# KiCad board Logic_0.kicad_pcb (continued)
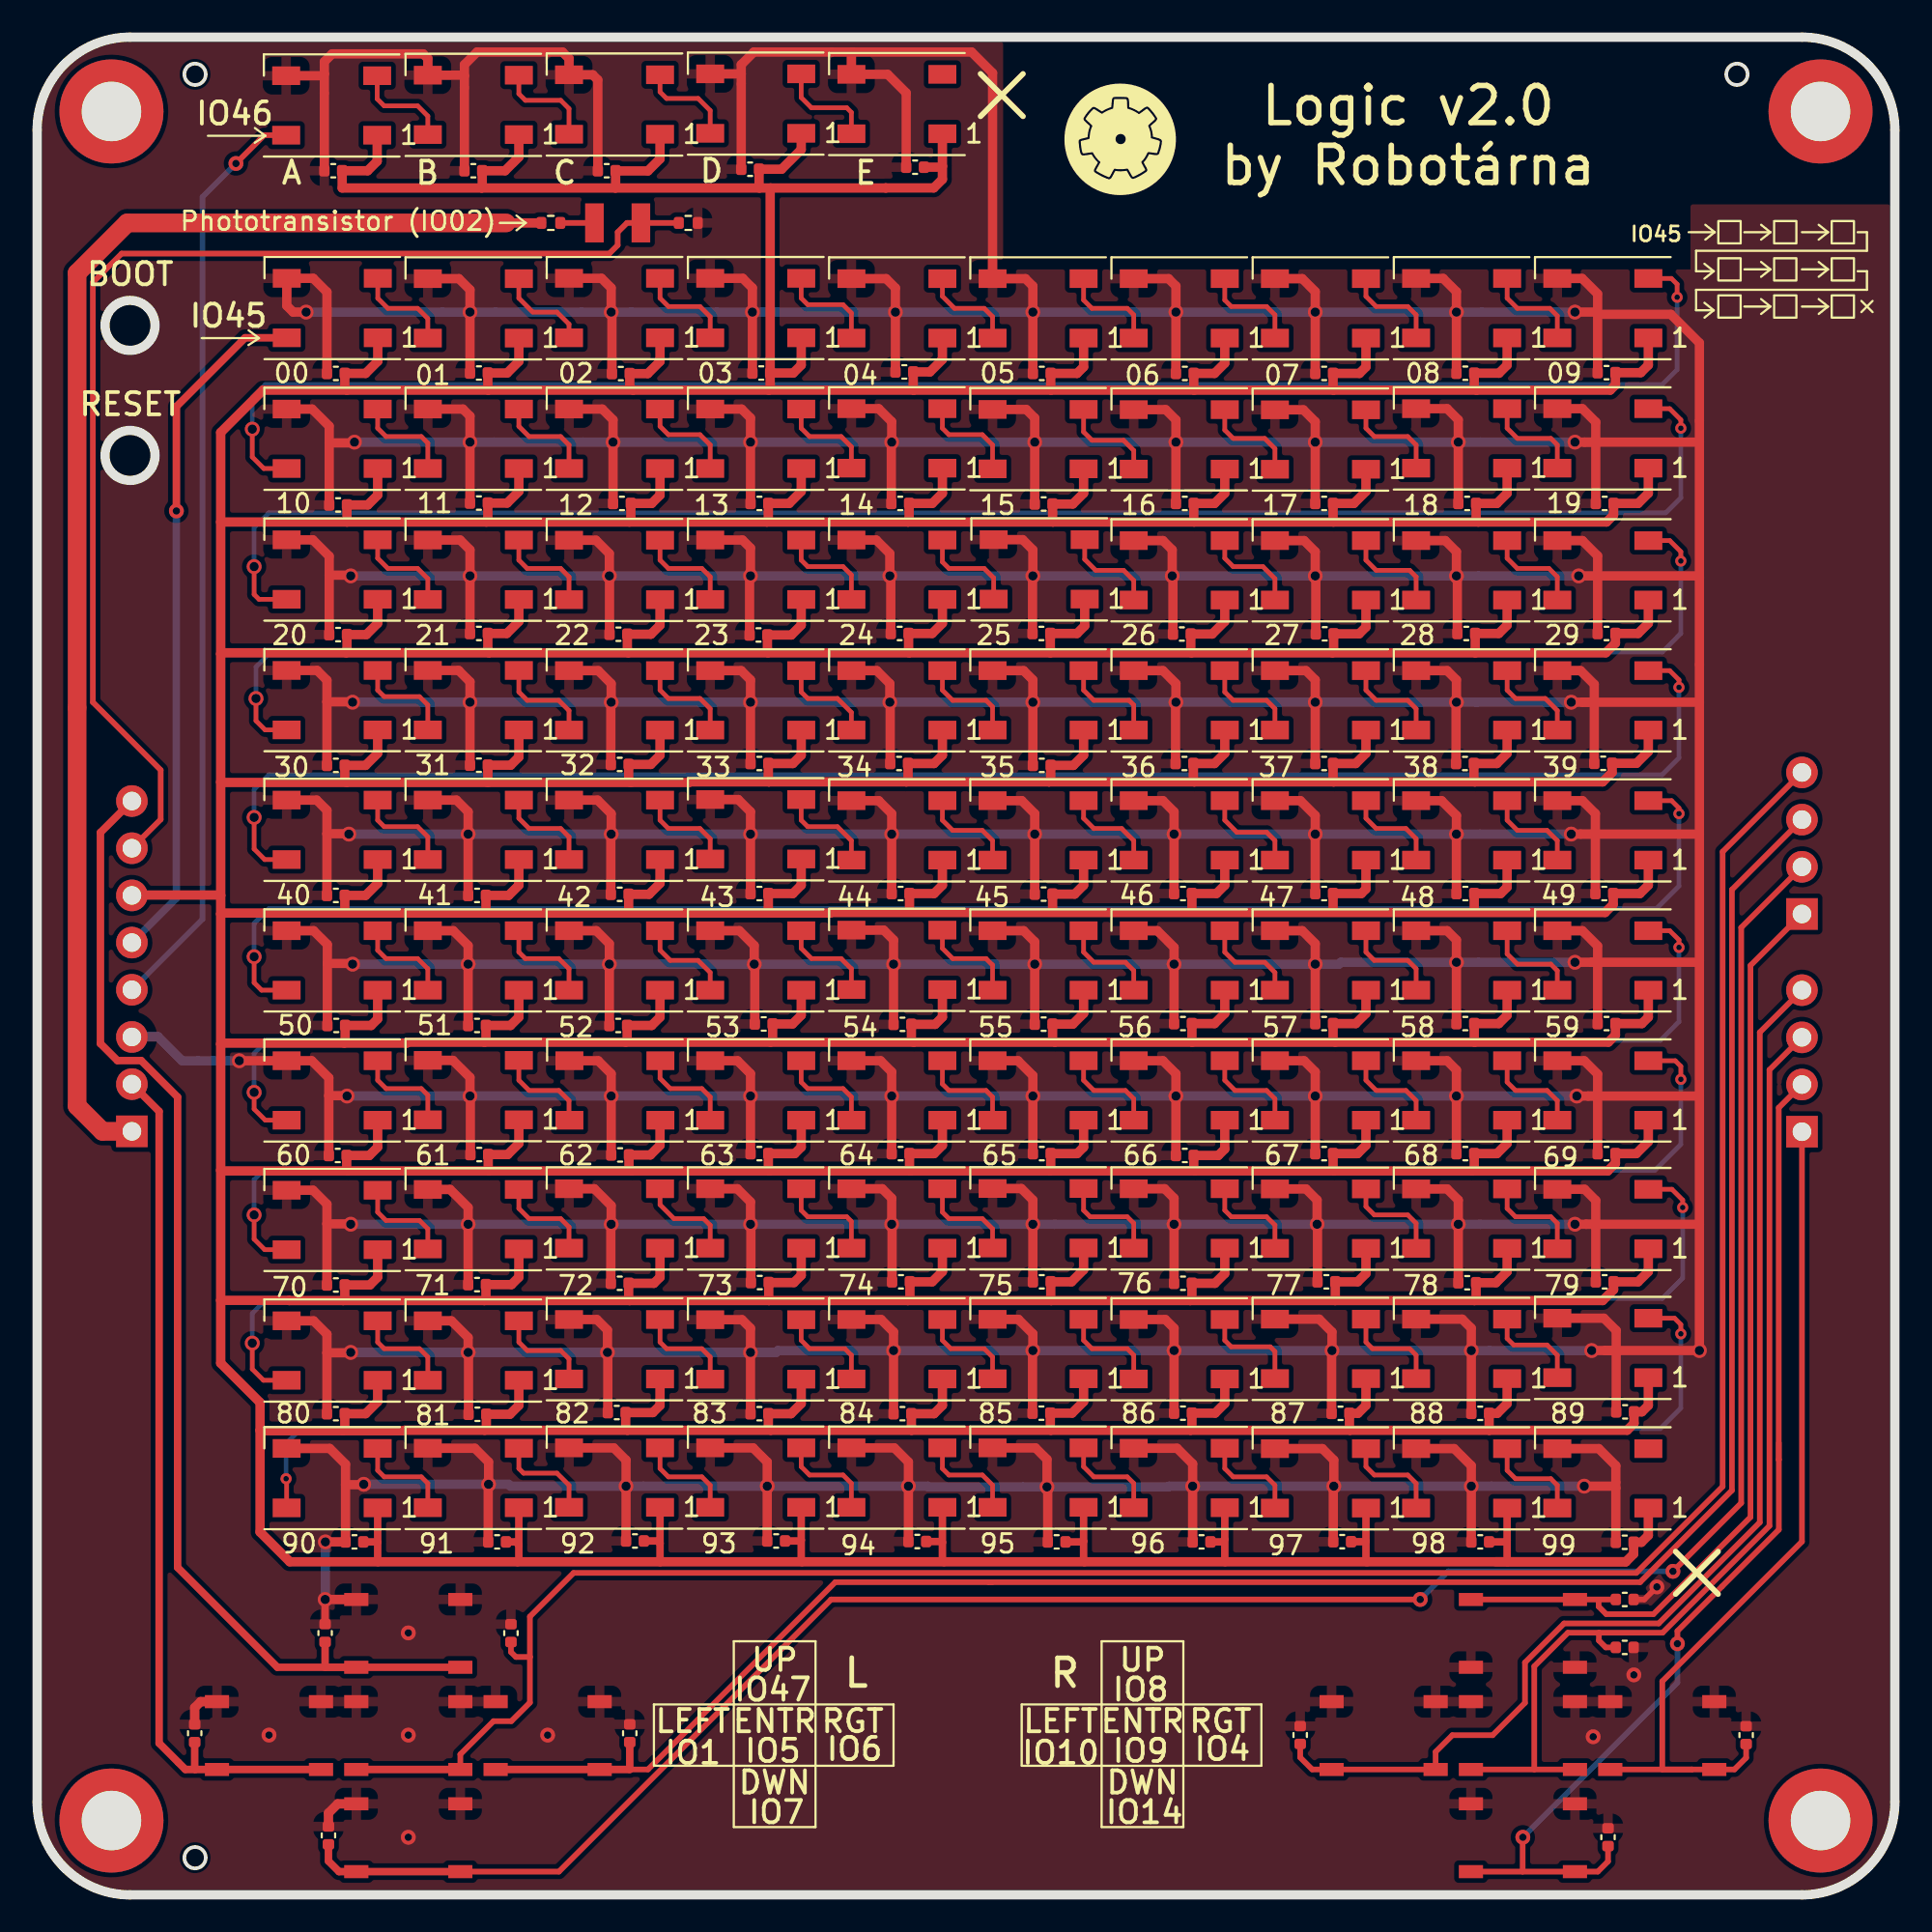
[diagram p0: board, top side]
## Routing (per net, layer and track width the routed paths; a pad name or vN(x,y) marks a point on that pad's centre or on a via; arc(x,y) is an arc through that point) (continued)
/ovladaci_prvky.sch/DATA_HERNI_LED: length 37.3
  Top w0.4: v3(7.49,74.5) 7.49,80.11 11.2,83.82 D12.4
  Bottom w0.4: J4.5 7.49,53.66 v3(7.49,74.5)
/ovladaci_prvky.sch/DATA_ZADANI_LED: length 50.1
  Top w0.3: v3(10.7,93.2) 12.22,94.72 D3.4
  Bottom w0.3: v3(10.7,93.2) 8.9,91.4 8.9,52.52 J4.4
/ovladaci_prvky.sch/herni_pole_LED.sch/1.sch/DATA_OUT: length 5.3
  Top w0.25: D17.4 51.43,84.95 50.98,85.4 49.38,85.4 48.73,86.05 D16.2
/ovladaci_prvky.sch/herni_pole_LED.sch/2.sch/DATA_OUT: length 88.9
  Top w0.25: D21.2 87.97,87.01 88.28,86.7 v2(88.28,86) ; v1(11.58,78.9) 11.58,77.4 12.2,76.78 D22.4
  Bottom w0.25: v1(11.58,78.9) 11.58,80.6 12.28,81.3 87.48,81.3 88.28,82.1 v2(88.28,86)
/ovladaci_prvky.sch/herni_pole_LED.sch/3.sch/DATA_OUT: length 5.4
  Top w0.25: D26.2 48.73,78.95 49.08,78.6 50.88,78.6 51.43,78.05 D27.4
/ovladaci_prvky.sch/herni_pole_LED.sch/4.sch/DATA_OUT: length 89.1
  Top w0.25: D32.4 11.94,69.74 11.68,70 v1(11.68,71.5) ; D31.2 87.88,80 88.48,79.4 v2(88.48,78.95)
  Bottom w0.25: v1(11.68,71.5) 11.68,73.6 12.48,74.4 87.68,74.4 88.48,75.2 v2(88.48,78.95)
/ovladaci_prvky.sch/herni_pole_LED.sch/5.sch/DATA_OUT: length 5.4
  Top w0.25: D36.2 48.73,71.75 49.08,71.4 50.98,71.4 51.49,70.89 D37.4
/ovladaci_prvky.sch/herni_pole_LED.sch/6.sch/DATA_OUT: length 88.6
  Top w0.25: D42.4 12.27,62.71 11.78,63.2 v1(11.78,64.4) ; D41.2 87.88,72.9 88.48,72.3 v2(88.48,71.8)
  Bottom w0.25: v2(88.48,71.8) 88.48,67.9 87.48,66.9 12.58,66.9 11.78,66.1 v1(11.78,64.4)
/ovladaci_prvky.sch/herni_pole_LED.sch/7.sch/DATA_OUT: length 5.4
  Top w0.25: D46.2 48.73,64.85 49.28,64.3 51.08,64.3 51.43,63.95 D47.4
/ovladaci_prvky.sch/herni_pole_LED.sch/8.sch/DATA_OUT: length 88.6
  Top w0.25: v2(88.38,65) 88.38,65.4 87.88,65.9 D51.2 ; D52.4 12.25,55.73 11.68,56.3 v1(11.68,58)
  Bottom w0.25: v2(88.38,65) 88.38,61.2 87.48,60.3 12.48,60.3 11.68,59.5 v1(11.68,58)
/ovladaci_prvky.sch/herni_pole_LED.sch/10.sch/DATA_IN: length 5.3
  Top w0.25: D57.4 51.43,56.75 50.88,57.3 49.28,57.3 48.73,57.85 D56.2
/ovladaci_prvky.sch/herni_pole_LED.sch/10.sch/DATA_OUT: length 88.7
  Top w0.25: D61.2 87.98,58.9 88.38,58.5 v2(88.38,58.2) ; D62.4 12.08,48.7 11.68,49.1 v1(11.68,50.5)
  Bottom w0.25: v1(11.68,50.5) 11.68,52.3 12.48,53.1 87.18,53.1 88.38,54.3 v2(88.38,58.2)
/ovladaci_prvky.sch/herni_pole_LED.sch/11.sch/DATA_OUT: length 5.4
  Top w0.25: D67.4 51.43,50.05 51.08,50.4 49.28,50.4 48.73,50.95 D66.2
/ovladaci_prvky.sch/herni_pole_LED.sch/12.sch/DATA_OUT: length 88.7
  Top w0.25: D71.2 87.88,51.9 88.38,51.4 v2(88.38,51) ; D72.4 12.28,41.7 11.68,42.3 v1(11.68,43.2)
  Bottom w0.25: v1(11.68,43.2) 11.68,45.3 12.38,46 87.38,46 88.38,47 v2(88.38,51)
/ovladaci_prvky.sch/herni_pole_LED.sch/13.sch/DATA_OUT: length 5.5
  Top w0.25: D77.4 51.43,42.95 51.08,43.3 49.08,43.3 48.73,43.65 D76.2
/ovladaci_prvky.sch/herni_pole_LED.sch/14.sch/DATA_OUT: length 88.8
  Top w0.25: D81.2 88.18,44.9 88.48,44.6 v2(88.48,43.9) ; D82.4 12.25,34.73 11.68,35.3 v1(11.68,36.6)
  Bottom w0.25: v2(88.48,43.9) 88.48,40.4 87.08,39 12.18,39 11.68,38.5 v1(11.68,36.6)
/ovladaci_prvky.sch/herni_pole_LED.sch/15.sch/DATA_OUT: length 5.4
  Top w0.25: D86.2 48.73,36.75 49.08,36.4 50.88,36.4 51.43,35.85 D87.4
/ovladaci_prvky.sch/herni_pole_LED.sch/16.sch/DATA_OUT: length 89.2
  Top w0.25: v2(88.58,37) 88.58,37.4 88,37.98 D91.2 ; D93.4 12.18,27.7 11.58,28.3 v1(11.58,29.7)
  Bottom w0.25: v2(88.58,37) 88.58,33.2 87.48,32.1 12.38,32.1 11.58,31.3 v1(11.58,29.7)
/ovladaci_prvky.sch/herni_pole_LED.sch/17.sch/DATA_OUT: length 5.4
  Top w0.25: D97.2 48.73,29.85 49.18,29.4 50.98,29.4 51.43,28.95 D98.4
/ovladaci_prvky.sch/herni_pole_LED.sch/18.sch/DATA_OUT: length 85.7
  Top w0.25: v2(88.48,30.2) 88.48,30.7 88.14,31.04 D102.2 ; v2(13.4,22.4) 13.43,22.37 D103.4
  Bottom w0.25: v2(13.4,22.4) 13.4,24.3 14.2,25.1 87.38,25.1 88.48,26.2 v2(88.48,30.2)
/ovladaci_prvky.sch/herni_pole_LED.sch/19.sch/DATA_OUT: length 5.4
  Top w0.25: D107.2 48.73,22.95 49.08,22.6 50.88,22.6 51.43,22.05 D108.4
/ovladaci_prvky.sch/SENZOR_SVETLA: length 65.9
  Top w0.3: R13.1 Q3.2 31.75,90 31.25,89.5 31.25,88.8 30.8,88.35 4.55,88.35 3,86.8 3,64.2 6.65,60.55 6.65,57.89 J4.7
/ovladaci_prvky.sch/SW_2: length 124.9
  Top w0.3: 26.52,12.81 26.52,12.81 25.77,12.81 25.51,13.07 C11.2 ; 26.52,12.81 26.52,14.98 28.88,17.33 86.08,17.33 90.73,21.98 90.73,56.15 J6.4 ; 26.52,12.81 26.52,10.35 25.52,9.35 24.56,9.35 22.78,7.56 SW2.1
  Top w0.4: SW2.1 SW2.1
/ovladaci_prvky.sch/SW_3: length 112.1
  Top w0.3: 31.9,6.75 32.88,6.75 42.96,16.83 51.22,16.83 ; 51.22,16.83 86.29,16.83 91.23,21.77 91.23,54.11 J6.3 ; 51.22,16.83 51.42,16.83
  Top w0.4: SW3.1 SW3.1 31.9,6.75 C12.2
/ovladaci_prvky.sch/SW_4: length 62.7
  Top w0.3: C13.2 67.99,7.4 68.64,6.75 SW4.1 SW4.1 75.28,7.7 76.18,8.59 78.35,8.59 80.09,10.34 80.09,12.51 82.19,14.61 87.29,14.61 92.73,20.05 92.73,46.43 J5.4
/ovladaci_prvky.sch/SW_5: length 47.4
  Top w0.3: C14.2 92,7.38 91.36,6.75 SW5.1 89.08,6.75 ; 89.08,6.75 87.48,6.75 87.48,11.5 95,19.02 J5.1 ; 89.08,6.75 SW5.1
/ovladaci_prvky.sch/SW_7: length 46.9
  Top w0.4: C126.2 8.48,6.78 8.51,6.75 ; 8.51,6.75 SW7.1 SW7.1 ; 8.51,6.75 7.98,6.75 6.56,8.16 6.56,42.17 J4.2
/ovladaci_prvky.sch/SW_8: length 121
  Top w0.3: J6.2 91.73,52.07 91.73,21.09 v3(88.06,17.42) ; SW8.1 28.09,1.25 42.74,15.9 v3(74.45,15.9)
  Top w0.4: SW8.1 SW8.1 16.25,1.25 15.68,1.82 C17.2
  Bottom w0.3: v3(88.06,17.42) 75.97,17.42 v3(74.45,15.9)
/ovladaci_prvky.sch/SW_9: length 57.9
  Top w0.3: 79.97,1.25 79.97,3.09 v3(79.97,3.1) ; 79.97,1.25 SW9.1 84.01,1.25 84.56,1.8 C18.2 ; 79.97,1.25 SW9.1 ; 93.75,23.42 93.75,19.66 88.3,14.2 v3(88.3,13.52) ; 93.75,23.42 93.75,24.33 ; 93.75,23.42 93.75,23.42 93.75,42.37 J5.2
  Bottom w0.3: v3(79.97,3.1) 88.3,11.42 v3(88.3,13.52)
/ovladaci_prvky.sch/SW_10: length 55.4
  Top w0.3: 84.07,14.11 82.4,14.11 80.59,12.3 80.59,6.75 ; 84.07,14.11 87.5,14.11 93.25,19.86 93.25,44.41 J5.3 ; 84.07,14.11 84.07,13.69 84.44,13.32 C19.2 ; 80.59,6.75 SW10.1 ; 80.59,6.75 SW10.1
/ovladaci_prvky.sch/SW_11: length 52.3
  Top w0.3: SW11.1 SW11.1 C20.2 ; 84.06,15.86 84.06,15.52 84.47,15.11 87,15.11 92.23,20.33 92.23,50.03 J6.1
/ovladaci_prvky.sch/SW_12: length 64.9
  Top w0.4: SW12.1 15.5,12.25 C30.2 ; SW12.1 12.94,12.25 7.56,17.62 7.56,42.95 5.6,44.91 4.32,44.91 3.41,45.83 3.41,57.19 J4.8 ; SW12.1 SW12.1
/ovladaci_prvky.sch/V_LED_1: length 1303.4
  Top w0.4: 25.87,17.93 25.93,18 25.93,18.83 ; C119.1 48.69,19.02 48.73,18.97 ; C121.1 63.8,19 63.93,19.14 ; 71.58,17.93 71.53,17.97 71.53,19.03 ; 18.34,17.93 18.33,17.94 18.33,18.97 ; D108.1 56.33,19.03 ; 56.33,19.03 56.33,17.97 56.38,17.93 ; 56.33,19.03 56.3,19 C120.1 ; 48.73,18.97 48.73,18.02 48.81,17.93 ; 48.73,18.97 D107.1 ; 18.33,18.97 18.3,19 C115.1 ; 18.33,18.97 D103.1 ; 79.13,19.1 79.13,17.94 79.14,17.93 ; 79.13,19.1 D111.1 ; 79.13,19.1 79.03,19 C123.1 ; 25.93,18.83 25.77,19 C116.1 ; 25.93,18.83 D104.1 ; 63.93,19.14 63.93,17.94 63.94,17.93 ; 63.93,19.14 D109.1 ; 33.53,17.93 33.53,17.94 33.53,18.92 ; D110.1 71.53,19.03 ; 71.53,19.03 71.5,19.01 C122.1 ; C118.1 41.08,19.05 41.13,19.09 ; 33.53,18.92 33.4,19.05 C117.1 ; 33.53,18.92 D105.1 ; 41.13,19.09 41.13,17.97 41.17,17.93 ; 41.13,19.09 D106.1
  Top w0.5: 24.07,31.99 24.16,32.08 C96.1 25.53,32.85 25.93,33.25 D83.1 ; 24.07,31.99 16.47,31.99 ; 24.07,31.99 31.89,31.99 ; 31.89,31.99 31.84,32.04 C97.1 33.2,32.92 33.53,33.25 D84.1 ; 31.89,31.99 39.39,31.99 ; 31.83,52.85 39.33,52.85 ; 31.83,52.85 24.23,52.85 ; 31.83,52.85 31.84,52.86 C67.1 32.94,53.86 33.53,54.45 D54.1 ; 39.33,52.85 42.69,52.85 42.72,52.88 84.4,52.88 84.84,53.32 C74.1 86.28,53.9 86.73,54.35 D61.1 ; 39.33,52.85 39.36,52.88 C68.1 40.68,53.9 41.13,54.35 D55.1 ; 77.58,73.9 84.48,73.9 84.86,74.28 C44.1 86.18,74.9 86.73,75.45 D31.1 ; 77.58,73.9 69.78,73.9 ; 77.58,73.9 77.46,74.02 C43.1 78.58,74.9 79.13,75.45 D30.1 ; 23.93,91.88 16.42,91.88 C7.1 17.79,92.81 18.3,93.32 D3.1 ; 23.93,91.88 23.96,91.91 C8.1 25.19,92.81 25.93,93.55 D4.1 ; 23.93,91.88 31.13,91.88 ; D64.1 33.53,47.25 33.08,46.8 C77.1 31.76,45.98 31.68,45.9 ; 9.88,45.8 9.88,52.8 ; 9.88,45.8 9.88,39 ; 9.88,45.8 9.93,45.85 16.53,45.85 ; 9.88,52.8 9.88,53.8 ; 9.88,52.8 9.93,52.85 16.53,52.85 ; 16.53,52.85 24.23,52.85 ; 16.53,52.85 16.56,52.88 C65.1 17.68,53.8 18.33,54.45 D52.1 ; 24.23,52.85 24.16,52.92 C66.1 25.38,53.8 25.93,54.35 D53.1 ; D17.1 56.33,82.25 55.98,81.9 C3.1 54.56,81.02 54.58,81 ; 32.08,81 31.9,81.18 C33.1 32.87,81.89 33.53,82.55 D14.1 ; 32.08,81 39.38,81 ; 32.08,81 24.28,81 ; 46.87,31.99 46.98,32.1 C99.1 48.18,33 48.73,33.55 D86.1 ; 46.87,31.99 54.59,31.99 ; 46.87,31.99 39.39,31.99 ; D6.1 41.13,93.95 40.07,92.89 C10.1 38.86,91.9 38.88,91.88 ; D68.1 63.93,47.45 63.38,46.9 C81.1 62.16,45.92 62.18,45.9 ; 24.18,73.9 24.26,73.98 C36.1 25.3,74.92 25.93,75.55 D23.1 ; 24.18,73.9 31.88,73.9 ; 24.18,73.9 16.68,73.9 ; 16.46,24.98 12.02,24.98 12,25 ; 16.46,24.98 19.75,24.98 19.78,25.01 24.09,25.01 ; 16.46,24.98 16.56,25.08 C105.1 17.68,25.9 18.33,26.55 D93.1 ; 85.52,17.93 78.51,17.93 ; 85.52,17.93 85.94,18.35 C124.1 86.36,18.98 86.73,19.35 D112.1 ; 85.52,17.93 13.6,17.93 12,19.53 12,25 ; 9.88,39 9.88,32 ; 9.88,39 9.91,38.97 16.71,38.97 ; D48.1 63.93,61.45 63.38,60.9 C61.1 62.24,59.96 62.29,59.91 ; 39.38,81 47.18,81 ; 39.38,81 39.46,81.08 C34.1 ; 62.18,45.9 69.88,45.9 ; 62.18,45.9 54.78,45.9 ; 69.88,45.9 69.76,46.02 C82.1 70.98,46.9 71.53,47.45 D69.1 ; 69.88,45.9 77.38,45.9 ; D5.1 33.53,93.45 32.88,92.8 31.15,92.8 C9.1 31.14,91.89 31.13,91.88 ; C34.1 40.7,81.92 41.13,82.35 D15.1 ; C34.1 39.46,91.86 39.48,91.88 ; D63.1 25.93,47.25 25.48,46.8 C76.1 24.16,45.98 24.08,45.9 ; 24.32,66.86 24.26,66.92 C46.1 25.28,67.9 25.93,68.55 D33.1 ; 24.32,66.86 16.64,66.86 ; 24.32,66.86 31.82,66.86 ; 39.49,25.01 47.07,25.01 ; 39.49,25.01 39.36,25.14 C108.1 40.58,25.9 41.13,26.45 D96.1 ; 39.49,25.01 31.77,25.01 ; 47.07,25.01 47.06,25.02 C109.1 48.28,25.9 48.73,26.35 D97.1 ; 47.07,25.01 54.57,25.01 ; D98.1 56.33,26.55 55.71,25.93 C110.1 54.54,25.04 54.57,25.01 ; D22.1 18.33,75.35 17.8,74.82 C35.1 16.68,73.9 ; 39.39,59.91 35.12,59.91 35.09,59.88 31.96,59.88 ; 39.39,59.91 46.79,59.91 ; 39.39,59.91 39.36,59.94 C58.1 40.68,60.9 41.13,61.35 D45.1 ; 69.72,66.86 69.79,66.93 C52.1 71.16,67.88 71.53,68.25 D39.1 ; 69.72,66.86 77.42,66.86 ; 69.72,66.86 62.14,66.86 ; 69.79,59.91 77.39,59.91 ; 69.79,59.91 62.29,59.91 ; 69.79,59.91 69.76,59.94 C62.1 70.98,60.9 71.53,61.45 D49.1 ; 77.39,59.91 84.27,59.91 84.78,60.42 C64.1 86.09,60.91 86.73,61.55 D51.1 ; 77.39,59.91 77.34,59.96 C63.1 78.58,60.9 79.13,61.45 D50.1 ; D95.1 33.53,26.35 33.14,25.96 C107.1 31.68,25.1 31.77,25.01 ; 16.53,45.85 19.9,45.85 19.95,45.9 24.08,45.9 ; 16.53,45.85 16.58,45.9 C75.1 17.98,46.8 18.33,47.15 D62.1 ; 46.79,59.91 46.88,60 C59.1 48.28,60.9 48.73,61.35 D46.1 ; 46.79,59.91 54.47,59.91 ; D88.1 63.93,33.45 63.4,32.92 C101.1 62.16,32.08 62.07,31.99 ; 9.88,59.9 9.9,59.88 16.66,59.88 ; 9.88,59.9 9.88,66.8 ; 9.88,59.9 9.88,53.8 ; 24.08,45.9 31.68,45.9 ; D60.1 79.13,54.25 78.78,53.9 C73.1 77.36,52.92 77.38,52.9 ; 24.26,59.88 C56.1 25.49,60.81 25.93,61.25 D43.1 ; 24.26,59.88 31.96,59.88 ; 24.26,59.88 16.66,59.88 ; 31.88,73.9 39.28,73.9 ; 31.88,73.9 31.96,73.98 C37.1 33.08,74.9 33.53,75.35 D24.1 ; 39.28,73.9 46.88,73.9 ; 39.28,73.9 39.36,73.98 C38.1 40.48,74.9 41.13,75.55 D25.1 ; 62.09,25.01 62.16,25.08 C111.1 63.41,25.93 63.93,26.45 D99.1 ; 62.09,25.01 54.57,25.01 ; 62.09,25.01 70.67,25.01 ; D57.1 56.33,54.35 55.85,53.87 C70.1 54.66,52.92 ; D12.1 18.34,82.56 17.68,81.9 C31.1 16.56,81.12 16.68,81 ; 46.88,73.9 54.68,73.9 ; 46.88,73.9 46.94,73.96 C39.1 48.18,74.9 48.73,75.45 D26.1 ; 62.28,81 62.26,81.02 C6.1 63.38,81.9 63.93,82.45 D18.1 ; 62.28,81 69.78,81 ; 62.28,81 54.58,81 ; 38.88,91.88 39.48,91.88 ; 38.88,91.88 31.13,91.88 ; 77.37,31.99 77.46,32.08 C103.1 78.53,32.95 79.13,33.55 D90.1 ; 77.37,31.99 84.27,31.99 84.86,32.58 C104.1 86.18,33 86.73,33.55 D91.1 ; 77.37,31.99 69.87,31.99 ; 16.47,31.99 13.57,31.99 13.56,32 9.88,32 ; 16.47,31.99 16.56,32.08 C95.1 17.91,32.83 18.33,33.25 D82.1 ; 77.48,81 84.68,81 84.96,81.28 C21.1 86.32,81.94 86.73,82.35 D21.1 ; 77.48,81 69.78,81 ; 77.48,81 77.36,81.12 C16.1 78.69,81.91 79.13,82.35 D20.1 ; 33.53,41.7 33.53,40.35 33.01,39.83 C87.1 31.86,39.12 32.01,38.97 ; 39.48,91.88 45.68,91.88 45.69,91.88 48.27,91.88 48.73,92.35 48.73,93.05 ; D67.1 56.33,47.45 55.75,46.87 C80.1 54.66,46.02 54.78,45.9 ; 46.94,66.86 54.54,66.86 ; 46.94,66.86 39.34,66.86 ; 46.94,66.86 46.91,66.89 C49.1 48.18,67.9 48.73,68.45 D36.1 ; 54.54,66.86 62.14,66.86 ; 54.54,66.86 C50.1 55.98,67.9 56.39,68.31 D37.1 ; D28.1 63.93,75.45 63.38,74.9 C41.1 62.26,73.92 62.28,73.9 ; 69.87,31.99 69.88,32 C102.1 71.08,33 71.53,33.45 D89.1 ; 69.87,31.99 62.07,31.99 ; 24.31,38.97 24.28,39 C86.1 25.33,39.85 25.93,40.45 D73.1 ; 24.31,38.97 16.71,38.97 ; 24.31,38.97 32.01,38.97 ; 77.25,38.97 77.36,39.08 C93.1 78.58,39.9 79.13,40.45 D80.1 ; 77.25,38.97 84.55,38.97 84.96,39.38 C94.1 86.08,39.9 86.73,40.55 D81.1 ; 77.25,38.97 69.81,38.97 ; D32.1 18.33,68.45 17.72,67.84 C45.1 16.68,66.9 16.64,66.86 ; 62.31,38.97 69.81,38.97 ; 62.31,38.97 54.51,38.97 ; 62.31,38.97 62.26,39.02 C91.1 63.58,39.8 63.93,40.15 D78.1 ; 69.81,38.97 69.76,39.02 C92.1 71.08,39.9 71.53,40.35 D79.1 ; 16.68,73.9 9.88,73.9 ; 9.88,73.9 9.88,78.72 12.16,81 16.68,81 ; 9.88,73.9 9.88,66.8 ; 16.64,66.86 9.94,66.86 9.88,66.8 ; 54.47,59.91 54.56,60 C60.1 55.78,60.8 56.33,61.35 D47.1 ; 54.47,59.91 62.29,59.91 ; 16.68,81 24.28,81 ; 24.28,81 24.26,81.02 C32.1 25.3,81.92 25.93,82.55 D13.1 ; 12,25 12,26.5 9.88,28.62 9.88,32 ; 70.67,25.01 78.17,25.01 ; 70.67,25.01 70.64,25.04 C112.1 71.1,25.92 71.53,26.35 D100.1 ; 78.17,25.01 85.59,25.01 85.96,25.38 C114.1 86.38,26 86.73,26.35 D102.1 ; 78.17,25.01 78.16,25.02 C113.1 78.6,25.92 79.13,26.45 D101.1 ; 16.71,38.97 16.66,39.02 C85.1 17.88,39.8 18.33,40.25 D72.1 ; 62.07,31.99 54.59,31.99 ; 62.28,73.9 69.78,73.9 ; 62.28,73.9 54.68,73.9 ; 69.78,73.9 69.76,73.92 C42.1 70.88,74.9 71.53,75.55 D29.1 ; 54.59,31.99 54.56,32.02 C100.1 55.68,33 56.33,33.65 D87.1 ; D65.1 41.13,47.35 40.66,46.88 C78.1 39.59,46.01 39.48,45.9 ; 39.34,66.86 31.82,66.86 ; 39.34,66.86 39.31,66.89 C48.1 40.6,67.82 41.13,68.35 D35.1 ; D71.1 86.73,47.25 86.38,46.9 C84.1 84.96,46.28 84.58,45.9 77.38,45.9 ; D85.1 41.13,33.35 40.74,32.96 C98.1 39.38,32 39.39,31.99 ; 54.68,73.9 54.66,73.92 C40.1 55.75,74.87 56.33,75.45 D27.1 ; 9.88,53.8 9.86,53.82 5,53.82 ; D58.1 63.93,54.35 63.48,53.9 C71.1 62.16,53.02 ; D77.1 56.33,40.25 55.98,39.9 C90.1 54.56,39.02 54.51,38.97 ; D76.1 48.73,40.35 48.28,39.9 C89.1 46.96,39.02 47.01,38.97 ; 47.18,81 47.16,81.02 C2.1 48.06,81.98 48.73,82.65 D16.1 ; 47.18,81 54.58,81 ; 39.41,38.97 39.36,39.02 C88.1 40.78,39.9 41.13,40.25 D75.1 ; 39.41,38.97 32.01,38.97 ; 39.41,38.97 47.01,38.97 ; 69.78,81 69.76,81.02 C15.1 71.18,81.9 71.53,82.25 D19.1 ; D38.1 63.93,68.55 63.25,67.87 C51.1 62.1,66.9 62.14,66.86 ; 16.66,59.88 16.56,59.98 C55.1 17.68,60.8 18.33,61.45 D42.1 ; 54.51,38.97 47.01,38.97 ; D41.1 86.73,68.45 86.18,67.9 C54.1 84.96,67.38 84.44,66.86 77.42,66.86 ; 31.96,59.88 31.84,60 C57.1 33.03,60.85 33.53,61.35 D44.1 ; 77.42,66.86 77.41,66.87 C53.1 78.68,67.9 79.13,68.35 D40.1 ; 24.09,25.01 24.18,25.1 C106.1 25.45,25.87 25.93,26.35 D94.1 ; 24.09,25.01 31.77,25.01 ; 48.73,93.05 48.68,93 C125.1 ; 48.73,93.05 D113.1 ; D56.1 48.73,54.35 48.28,53.9 C69.1 46.96,53.02 ; 47.18,45.9 47.06,46.02 C79.1 48.34,46.86 48.73,47.25 D66.1 ; 47.18,45.9 39.48,45.9 ; 47.18,45.9 54.78,45.9 ; 77.38,45.9 77.36,45.92 C83.1 78.68,46.9 79.13,47.35 D70.1 ; 31.68,45.9 39.48,45.9 ; 31.82,66.86 31.77,66.91 C47.1 33.04,67.86 33.53,68.35 D34.1 ; 69.78,52.9 69.76,52.92 C72.1 71.28,53.9 71.53,54.15 D59.1
Net-(D3-Pad2): length 5.4
  Top w0.25: D4.4 21.03,95.75 20.48,96.3 18.68,96.3 18.3,96.68 D3.2
Net-(D4-Pad2): length 5.4
  Top w0.25: D5.4 28.63,96.15 28.18,96.6 26.28,96.6 25.93,96.95 D4.2
Net-(D5-Pad2): length 5.3
  Top w0.25: D6.4 36.23,96.05 35.58,96.7 33.88,96.7 33.53,97.05 D5.2
Net-(D12-Pad2): length 5.3
  Top w0.25: D12.2 18.34,85.94 18.88,85.4 20.48,85.4 21.03,84.85 D13.4
Net-(D13-Pad2): length 5.1
  Top w0.25: D13.2 25.93,85.95 26.68,85.2 27.98,85.2 28.63,84.55 D14.4
Net-(D14-Pad2): length 5.3
  Top w0.25: D15.4 36.23,84.95 35.68,85.5 33.98,85.5 33.53,85.95 D14.2
Net-(D15-Pad2): length 5.4
  Top w0.25: D15.2 41.13,85.95 41.48,85.6 43.38,85.6 43.83,85.15 D16.4
Net-(D17-Pad2): length 5.4
  Top w0.25: D18.4 59.03,85.05 58.68,85.4 56.78,85.4 56.33,85.85 D17.2
Net-(D18-Pad2): length 5.4
  Top w0.25: D19.4 66.63,85.05 66.18,85.5 64.28,85.5 63.93,85.85 D18.2
Net-(D19-Pad2): length 5.3
  Top w0.25: D19.2 71.53,86.05 72.08,85.5 73.78,85.5 74.23,85.05 D20.4
Net-(D20-Pad2): length 5.3
  Top w0.25: D21.4 81.83,85 81.43,85.4 79.68,85.4 79.13,85.95 D20.2
Net-(D22-Pad2): length 5.4
  Top w0.25: D23.4 21.03,78.15 20.68,78.5 18.78,78.5 18.33,78.95 D22.2
